# KiCad board USB Keypad.kicad_pcb (continued)
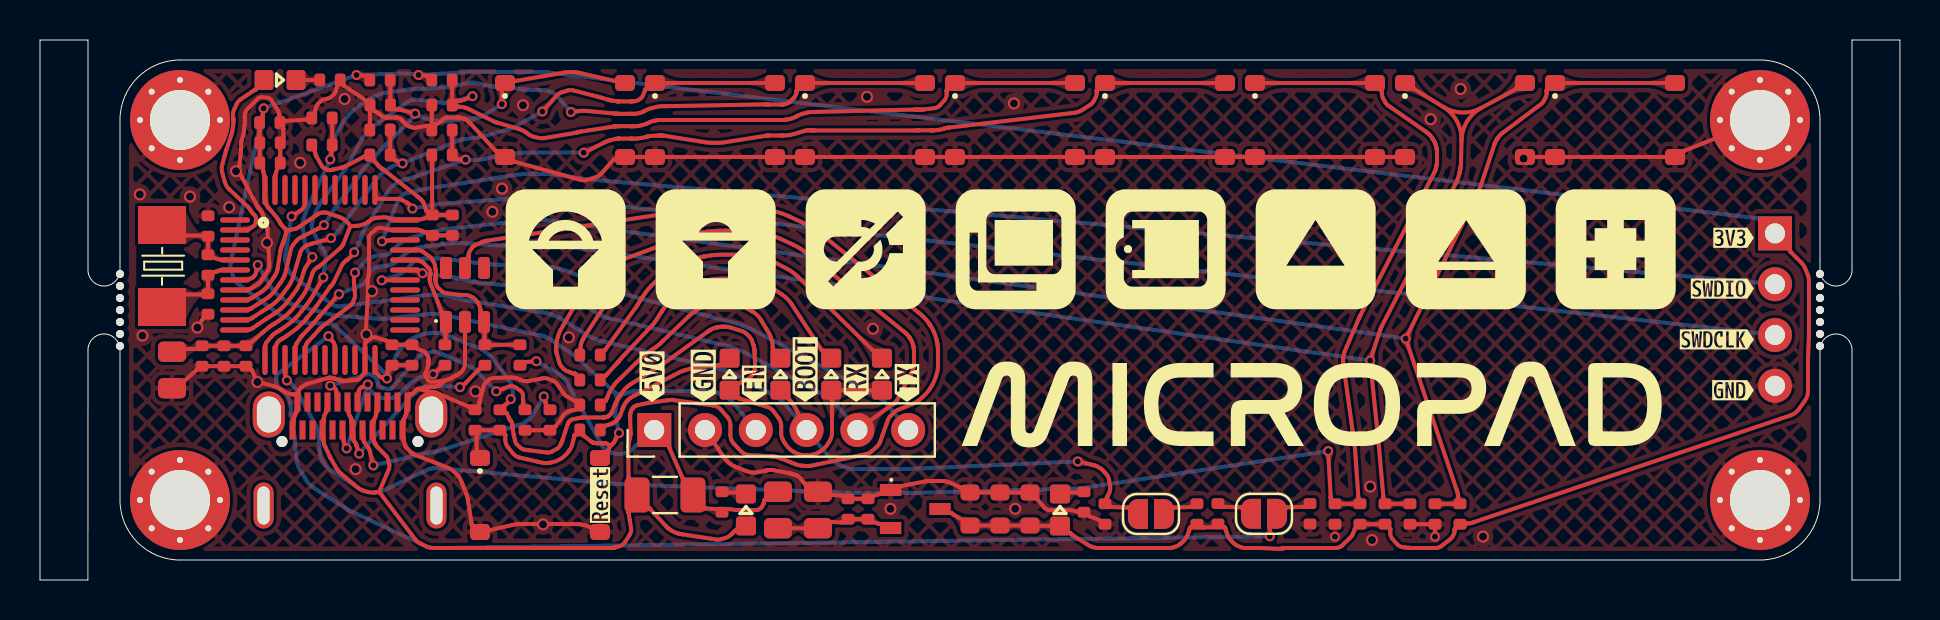
[diagram p0: board, top side]
## Routing (per net, layer and track width the routed paths; a pad name or vN(x,y) marks a point on that pad's centre or on a via; arc(x,y) is an arc through that point)
+3.3V: length 241.9
  Top w0.2: LED4.2 39.75,9.49 arc(39.62,9.43) 39.58,9.3 39.59,9.16 arc(39.6,9.11) 39.6,9.06 39.6,7.33 arc(39.58,7.17) 39.51,7.01 39.43,6.86 arc(39.23,6.6) 38.97,6.4 arc(38.66,6.27) 38.33,6.23 arc(38,6.27) 37.7,6.4 arc(37.43,6.6) 37.23,6.86 37.15,7.01 arc(37.08,7.17) 37.06,7.33 37.06,7.71 arc(37.03,7.91) 36.94,8.09 36.69,8.42 arc(36.54,8.57) 36.36,8.65 35.96,8.78 34.96,9.08 arc(34.96,9.08) 34.96,9.08 34.95,9.08 arc(34.95,9.08) 34.95,9.08 34.71,9.29 arc(34.63,9.48) 34.73,9.67 34.97,9.84 arc(34.97,9.84) 34.98,9.84 arc(34.98,9.84) 34.98,9.84 34.98,9.85 arc(34.98,9.85) 34.98,9.85 35.22,9.96 35.4,10.05 arc(35.49,10.11) 35.55,10.18 35.67,10.35 arc(35.71,10.44) 35.73,10.53 35.75,10.67 arc(35.75,10.68) 35.75,10.69 35.75,10.71 arc(35.75,10.72) 35.75,10.73 35.75,10.85 arc(35.75,10.87) 35.75,10.88 arc(35.75,10.89) 35.75,10.91 35.73,11.33 arc(35.73,11.34) 35.73,11.35 arc(35.73,11.36) 35.73,11.37 35.73,11.45 arc(35.73,11.46) 35.73,11.47 arc(35.73,11.47) 35.73,11.48 35.72,11.49 arc(35.72,11.5) 35.72,11.51 arc(35.72,11.51) 35.72,11.52 35.71,11.59 arc(35.71,11.61) 35.71,11.63 35.7,11.66 arc(35.69,11.68) 35.69,11.7 arc(35.68,11.71) 35.68,11.73 35.59,11.98 arc(35.55,12.08) 35.48,12.16 35.31,12.32 arc(35.23,12.39) 35.13,12.44 34.52,12.63 arc(34.48,12.64) 34.44,12.65 34.36,12.66 arc(34.31,12.66) 34.27,12.67 34.1,12.67 arc(34.08,12.66) 34.05,12.66 34,12.66 arc(33.97,12.65) 33.94,12.65 33.89,12.64 arc(33.89,12.64) 33.89,12.64 arc(33.88,12.64) 33.88,12.64 33.8,12.62 arc(33.75,12.61) 33.7,12.59 33.6,12.55 arc(33.55,12.53) 33.51,12.5 33.44,12.45 arc(33.44,12.45) 33.44,12.45 arc(33.44,12.45) 33.44,12.45 33.42,12.44 arc(33.41,12.44) 33.4,12.43 33.4,12.42 arc(33.38,12.41) 33.36,12.4 31.38,10.97 arc(31.26,10.88) 31.14,10.8 arc(31.01,10.72) 30.89,10.64 29.67,9.87 29.51,9.78 arc(29.44,9.73) 29.37,9.67 29.24,9.54 arc(29.18,9.48) 29.13,9.41 28.91,9.09 arc(28.89,9.05) 28.87,9.02 28.83,8.94 arc(28.81,8.91) 28.79,8.87 28.77,8.81 arc(28.77,8.8) 28.77,8.79 28.76,8.78 arc(28.76,8.77) 28.75,8.76 28.75,8.75 arc(28.74,8.75) 28.74,8.74 28.74,8.74 arc(28.73,8.72) 28.73,8.71 28.72,8.69 arc(28.71,8.68) 28.71,8.67 28.59,8.39 arc(28.58,8.38) 28.58,8.36 28.56,8.33 arc(28.55,8.32) 28.54,8.31 28.48,8.25 arc(28.48,8.24) 28.47,8.24 arc(28.46,8.23) 28.46,8.22 28.44,8.21 arc(28.43,8.21) 28.43,8.2 28.38,8.17 arc(28.36,8.16) 28.34,8.15 28.31,8.14 arc(28.29,8.13) 28.27,8.13 28.2,8.13 arc(28.2,8.13) 28.19,8.13 arc(28.19,8.13) 28.19,8.13 28.18,8.13 arc(28.18,8.13) 28.17,8.12 27.12,8.12 arc(27.11,8.12) 27.1,8.12 27.09,8.12 arc(27.08,8.12) 27.08,8.12 26.98,8.1 arc(26.97,8.1) 26.97,8.1 arc(26.97,8.1) 26.97,8.1 26.63,8.04 arc(26.61,8.03) 26.58,8.02 26.53,7.99 arc(26.51,7.97) 26.49,7.95 26.48,7.94 arc(26.47,7.93) 26.46,7.92 arc(26.46,7.91) 26.45,7.91 26.44,7.9 arc(26.43,7.89) 26.43,7.87 26.41,7.84 arc(26.4,7.83) 26.39,7.81 26.25,7.39 arc(26.25,7.38) 26.25,7.38 arc(26.25,7.38) 26.25,7.37 26.13,7 arc(26.12,6.99) 26.12,6.98 arc(26.12,6.97) 26.11,6.96 26.11,6.94 arc(26.1,6.93) 26.1,6.93 arc(26.09,6.92) 26.09,6.91 26.02,6.75 arc(25.95,6.64) 25.84,6.56 25.6,6.42 arc(25.48,6.38) 25.35,6.37 24.46,6.49 24.23,6.52 arc(24.12,6.55) 24.03,6.61 23.86,6.77 arc(23.79,6.86) 23.75,6.96 23.69,7.25 arc(23.69,7.25) 23.69,7.26 23.63,7.57 arc(23.63,7.58) 23.63,7.59 23.63,7.6 arc(23.63,7.61) 23.62,7.62 23.62,7.75 arc(23.62,7.78) 23.61,7.81 23.59,7.87 arc(23.58,7.9) 23.56,7.92 23.53,7.96 arc(23.51,7.98) 23.5,7.99 23.48,8.03 arc(23.47,8.04) 23.46,8.06 23.35,8.31 arc(23.35,8.31) 23.35,8.32 arc(23.35,8.32) 23.35,8.32 23.34,8.33 arc(23.34,8.34) 23.33,8.34 23.33,8.34 arc(23.33,8.34) 23.33,8.34 23.33,8.34 arc(23.33,8.34) 23.33,8.34 arc(23.32,8.35) 23.32,8.35 23.32,8.35 arc(23.32,8.35) 23.32,8.35 arc(23.32,8.35) 23.32,8.35 arc(23.32,8.35) 23.31,8.35 23.16,8.43 arc(23.09,8.52) 23.13,8.63 23.26,8.75 arc(23.26,8.76) 23.26,8.76 arc(23.26,8.76) 23.26,8.76 23.26,8.76 arc(23.27,8.76) 23.27,8.76 23.27,8.77 arc(23.27,8.77) 23.28,8.77 23.3,8.79 arc(23.32,8.8) 23.35,8.83 23.39,8.87 arc(23.42,8.89) 23.44,8.92 v2(23.54,9.05) ; C4.1 17.71,10.74 arc(17.61,10.72) 17.53,10.65 17.39,10.48 arc(17.39,10.47) 17.39,10.47 arc(17.39,10.47) 17.39,10.47 v2(17.35,10.08) 17.34,10.07 arc(17.33,10.07) 17.31,10.07 17.3,10.07 arc(17.28,10.07) 17.26,10.07 17.22,10.08 arc(17.2,10.08) 17.18,10.09 17.16,10.09 arc(17.16,10.09) 17.16,10.1 17.13,10.11 arc(17.1,10.12) 17.08,10.13 17.03,10.16 arc(17.01,10.17) 16.99,10.19 16.89,10.29 arc(16.87,10.31) 16.85,10.33 16.82,10.36 arc(16.8,10.37) 16.78,10.38 arc(16.76,10.4) 16.75,10.42 16.75,10.44 arc(16.75,10.49) 16.75,10.54 U1.24 ; v2(18.92,25.25) 19.32,25.21 arc(19.32,25.21) 19.33,25.21 R20.1 ; 12.22,17.6 12.09,17.74 arc(12.07,17.76) 12.06,17.78 12.03,17.81 arc(12.02,17.83) 12.01,17.85 11.97,17.92 arc(11.95,17.96) 11.92,18 11.87,18.08 arc(11.84,18.12) 11.81,18.15 11.75,18.23 11.53,18.49 arc(11.52,18.51) 11.51,18.52 11.49,18.54 arc(11.48,18.55) 11.47,18.56 11.46,18.57 arc(11.46,18.57) 11.45,18.58 arc(11.44,18.58) 11.44,18.59 11.44,18.59 arc(11.43,18.6) 11.42,18.61 11.4,18.63 arc(11.4,18.64) 11.39,18.65 arc(11.38,18.66) 11.38,18.67 11.32,18.77 arc(11.27,18.89) 11.25,19.01 11.25,19.96 arc(11.24,20.11) 11.21,20.26 11.17,20.42 arc(11.16,20.44) 11.16,20.45 11.16,20.48 arc(11.15,20.5) 11.15,20.51 11.15,20.52 arc(11.15,20.53) 11.15,20.53 arc(11.15,20.53) 11.15,20.54 11.04,20.75 arc(11,20.85) 10.99,20.96 10.99,21.75 arc(10.99,21.86) 10.99,21.97 10.99,22.03 arc(10.99,22.08) 10.98,22.13 10.98,22.6 arc(10.98,22.65) 10.98,22.7 10.98,22.76 arc(10.99,22.87) 11.03,22.97 11.14,23.18 arc(11.14,23.19) 11.14,23.19 arc(11.14,23.19) 11.14,23.19 11.14,23.19 arc(11.14,23.19) 11.14,23.19 11.14,23.21 arc(11.14,23.22) 11.14,23.24 11.14,23.27 arc(11.15,23.28) 11.15,23.3 v2(11.18,23.59) ; 12.22,17.6 arc(12.3,17.46) 12.29,17.3 ; 12.22,17.6 arc(12.36,17.51) 12.52,17.51 ; 19.61,18.34 19.61,18.37 arc(19.61,18.42) 19.6,18.47 19.6,20.98 arc(19.6,21.03) 19.6,21.08 R21.1 ; 19.61,18.34 arc(19.64,18.27) 19.71,18.25 ; 19.61,18.34 arc(19.59,18.3) 19.55,18.3 ; 15.51,17.68 15.2,16.88 15.17,16.81 arc(15.15,16.77) 15.13,16.74 15.08,16.67 arc(15.06,16.64) 15.03,16.61 14.97,16.56 14.01,15.72 13.99,15.7 arc(13.97,15.69) 13.96,15.68 13.93,15.66 arc(13.92,15.66) 13.91,15.65 13.84,15.61 arc(13.8,15.58) 13.76,15.55 13.69,15.46 arc(13.66,15.42) 13.63,15.37 13.43,14.77 arc(13.39,14.66) 13.34,14.56 13.23,14.36 arc(13.17,14.26) 13.11,14.16 12.65,13.58 arc(12.57,13.49) 12.49,13.41 12.33,13.26 arc(12.25,13.18) 12.16,13.12 11.9,12.94 arc(11.83,12.89) 11.76,12.84 11.74,12.83 arc(11.69,12.8) 11.63,12.76 11.56,12.72 arc(11.54,12.7) 11.51,12.69 11.47,12.66 arc(11.45,12.64) 11.43,12.63 11.12,12.37 arc(11.12,12.36) 11.12,12.36 arc(11.12,12.36) 11.11,12.36 10.6,11.92 arc(10.6,11.92) 10.6,11.92 arc(10.6,11.92) 10.6,11.92 arc(10.6,11.92) 10.59,11.92 10.39,11.77 arc(10.29,11.73) 10.19,11.71 8.21,11.71 arc(8.1,11.7) 8,11.66 7.79,11.55 arc(7.78,11.55) 7.78,11.55 arc(7.78,11.55) 7.78,11.55 7.78,11.55 arc(7.78,11.55) 7.78,11.55 7.25,11.55 arc(7.2,11.55) 7.15,11.54 C33.1 ; 15.51,17.68 arc(15.52,17.69) 15.51,17.69 ; 15.51,17.68 arc(15.52,17.69) 15.52,17.69 ; R19.1 13.75,21.44 arc(13.75,21.43) 13.75,21.43 13.75,21.43 arc(13.75,21.43) 13.75,21.43 arc(13.75,21.43) 13.75,21.43 13.75,21.39 arc(13.76,21.36) 13.77,21.32 13.79,21.26 arc(13.8,21.22) 13.81,21.19 13.85,21.13 14.1,20.69 arc(14.15,20.63) 14.22,20.58 14.39,20.51 arc(14.47,20.49) 14.55,20.49 14.63,20.51 arc(14.64,20.52) 14.65,20.52 14.65,20.52 arc(14.65,20.52) 14.65,20.52 arc(14.66,20.52) 14.66,20.52 15.04,20.61 arc(15.06,20.61) 15.08,20.62 15.08,20.62 arc(15.09,20.62) 15.11,20.63 15.15,20.64 arc(15.17,20.64) 15.2,20.65 15.24,20.67 arc(15.27,20.68) 15.29,20.69 15.33,20.72 16.18,21.16 arc(16.18,21.16) 16.19,21.16 16.2,21.16 arc(16.21,21.16) 16.21,21.16 16.27,21.16 arc(16.32,21.17) 16.36,21.19 16.4,21.21 arc(16.48,21.22) 16.54,21.17 16.7,20.96 arc(16.7,20.95) 16.7,20.95 arc(16.7,20.95) 16.7,20.95 arc(16.7,20.95) 16.7,20.95 16.89,20.75 arc(16.91,20.74) 16.92,20.72 16.94,20.7 arc(16.94,20.7) 16.94,20.69 arc(16.95,20.69) 16.95,20.68 16.96,20.68 arc(16.97,20.66) 16.98,20.65 17,20.63 arc(17.01,20.62) 17.03,20.61 17.06,20.59 arc(17.06,20.59) 17.07,20.59 arc(17.07,20.59) 17.07,20.58 arc(17.08,20.58) 17.08,20.58 17.09,20.57 arc(17.1,20.57) 17.1,20.57 arc(17.11,20.56) 17.11,20.56 17.12,20.56 arc(17.12,20.55) 17.13,20.55 17.15,20.53 arc(17.16,20.53) 17.16,20.52 17.18,20.51 18.89,19.16 arc(18.91,19.15) 18.93,19.13 18.97,19.1 arc(18.99,19.08) 19.01,19.06 19.07,19.01 arc(19.1,18.98) 19.12,18.95 19.16,18.88 arc(19.18,18.85) 19.2,18.81 19.31,18.49 arc(19.31,18.49) 19.31,18.48 arc(19.31,18.48) 19.31,18.48 19.31,18.48 arc(19.31,18.47) 19.31,18.47 arc(19.31,18.47) 19.32,18.47 19.32,18.47 arc(19.32,18.47) 19.32,18.47 arc(19.32,18.47) 19.32,18.46 19.32,18.46 arc(19.32,18.46) 19.32,18.46 19.32,18.46 arc(19.32,18.46) 19.32,18.46 arc(19.32,18.46) 19.33,18.46 19.55,18.3 ; 12.52,17.51 12.75,17.55 arc(12.78,17.56) 12.81,17.57 12.87,17.6 arc(12.89,17.61) 12.92,17.63 13.75,18.2 arc(13.78,18.22) 13.81,18.24 13.84,18.26 arc(13.85,18.27) 13.85,18.27 arc(13.85,18.27) 13.86,18.27 13.91,18.31 arc(13.98,18.34) 14.04,18.36 14.19,18.38 arc(14.26,18.38) 14.33,18.36 14.82,18.2 15.01,18.14 arc(15.09,18.1) 15.18,18.04 15.33,17.92 arc(15.4,17.86) 15.46,17.78 15.51,17.7 arc(15.51,17.7) 15.51,17.69 ; 12.52,17.51 arc(12.38,17.43) 12.29,17.3 ; 19.71,18.25 C11.1 ; 19.71,18.25 arc(19.62,18.24) 19.54,18.21 ; J3.1 87.46,16.62 arc(87.49,16.58) 87.5,16.53 87.5,16.47 arc(87.5,16.46) 87.5,16.45 87.51,16.43 arc(87.52,16.42) 87.52,16.42 arc(87.53,16.41) 87.54,16.4 87.83,16.11 88.07,15.87 arc(88.17,15.74) 88.25,15.59 88.38,15.28 arc(88.43,15.12) 88.45,14.96 88.45,12.28 arc(88.45,12.25) 88.44,12.22 arc(88.44,12.18) 88.44,12.15 88.4,11.06 arc(88.4,11.05) 88.4,11.04 arc(88.4,11.03) 88.4,11.01 88.4,9.98 88.4,9.44 arc(88.36,9.19) 88.24,8.96 87.94,8.53 arc(87.76,8.35) 87.53,8.23 87.03,8.06 71.69,2.89 71.61,2.87 arc(71.57,2.85) 71.53,2.85 71.44,2.83 arc(71.4,2.83) 71.36,2.82 71.27,2.82 arc(71.22,2.82) 71.17,2.82 71.11,2.81 arc(71.01,2.77) 70.92,2.71 70.74,2.55 arc(70.74,2.54) 70.74,2.54 arc(70.74,2.54) 70.74,2.54 arc(70.74,2.54) 70.74,2.54 70.74,2.54 arc(70.74,2.53) 70.74,2.53 arc(70.74,2.53) 70.74,2.53 70.74,2.53 arc(70.74,2.52) 70.74,2.51 70.73,2.44 arc(70.72,2.37) 70.69,2.3 70.62,2.16 arc(70.58,2.1) 70.52,2.05 70.06,1.69 arc(70.02,1.66) 69.98,1.64 69.89,1.62 arc(69.84,1.6) 69.8,1.6 69.7,1.6 68.88,1.6 68.57,1.6 arc(68.56,1.6) 68.55,1.6 68.53,1.6 arc(68.51,1.6) 68.5,1.6 68.15,1.64 arc(67.99,1.69) 67.86,1.79 67.63,2.04 arc(67.54,2.18) 67.51,2.35 67.51,2.53 arc(67.51,2.53) 67.51,2.53 67.51,2.54 arc(67.51,2.54) 67.51,2.54 arc(67.51,2.54) 67.51,2.54 arc(67.51,2.54) 67.51,2.55 67.33,2.71 arc(67.24,2.77) 67.14,2.79 66.11,2.79 arc(66.01,2.77) 65.92,2.71 65.74,2.55 arc(65.74,2.54) 65.74,2.54 arc(65.74,2.54) 65.74,2.54 arc(65.74,2.54) 65.74,2.54 65.64,2.3 arc(65.63,2.27) 65.61,2.24 65.57,2.18 arc(65.55,2.16) 65.53,2.13 65.1,1.72 arc(65.06,1.69) 65.01,1.66 64.91,1.62 arc(64.86,1.61) 64.8,1.6 64.69,1.6 63.87,1.6 63.22,1.6 62.75,1.6 62.56,1.6 62.27,1.6 arc(62.25,1.6) 62.23,1.6 62.2,1.59 arc(62.18,1.59) 62.17,1.59 62.15,1.58 arc(62.14,1.58) 62.14,1.58 62.11,1.58 arc(62.08,1.57) 62.04,1.57 61.98,1.56 arc(61.94,1.56) 61.91,1.56 61.84,1.56 61.03,1.6 arc(61.02,1.6) 61,1.6 arc(60.99,1.6) 60.98,1.6 60.6,1.6 60.24,1.6 arc(60.14,1.61) 60.04,1.64 59.85,1.72 arc(59.76,1.77) 59.68,1.84 59.53,2 arc(59.49,2.04) 59.46,2.09 59.41,2.18 arc(59.38,2.23) 59.36,2.27 59.27,2.56 arc(59.26,2.57) 59.26,2.58 59.26,2.58 arc(59.26,2.59) 59.26,2.59 arc(59.26,2.59) 59.25,2.6 59.25,2.6 arc(59.25,2.6) 59.25,2.61 59.24,2.62 arc(59.24,2.62) 59.23,2.63 59.23,2.63 arc(59.23,2.63) 59.23,2.63 59.23,2.63 arc(59.23,2.63) 59.23,2.63 arc(59.22,2.64) 59.22,2.64 59.22,2.64 arc(59.22,2.64) 59.22,2.64 arc(59.22,2.64) 59.22,2.64 arc(59.22,2.64) 59.21,2.64 59.06,2.72 arc(58.9,2.76) 58.74,2.72 58.59,2.64 arc(58.58,2.64) 58.58,2.64 58.58,2.64 arc(58.58,2.64) 58.58,2.64 arc(58.58,2.64) 58.58,2.64 58.17,2.63 arc(58.17,2.63) 58.17,2.63 58.17,2.63 arc(58.17,2.63) 58.16,2.63 58.01,2.71 arc(57.85,2.75) 57.69,2.71 57.54,2.63 arc(57.53,2.63) 57.53,2.63 57.53,2.63 arc(57.53,2.63) 57.53,2.63 57.53,2.63 arc(57.53,2.63) 57.52,2.62 arc(57.52,2.62) 57.52,2.62 57.52,2.62 arc(57.52,2.62) 57.52,2.62 57.52,2.62 arc(57.51,2.61) 57.51,2.61 57.5,2.6 arc(57.5,2.59) 57.5,2.59 57.49,2.59 arc(57.49,2.58) 57.49,2.58 arc(57.49,2.58) 57.49,2.57 57.49,2.57 arc(57.49,2.56) 57.48,2.55 57.38,2.25 arc(57.35,2.18) 57.32,2.12 57.23,2.01 arc(57.19,1.95) 57.14,1.9 56.96,1.76 arc(56.89,1.72) 56.81,1.68 56.66,1.63 arc(56.57,1.61) 56.49,1.6 54.79,1.6 arc(54.79,1.6) 54.79,1.6 54.66,1.6 arc(54.64,1.6) 54.62,1.6 54.6,1.6 arc(54.6,1.6) 54.59,1.6 arc(54.59,1.6) 54.59,1.6 54.58,1.6 arc(54.57,1.6) 54.56,1.6 54.41,1.6 53.99,1.6 53.53,1.6 53.07,1.6 arc(53.07,1.6) 53.07,1.6 52.98,1.6 arc(52.96,1.6) 52.94,1.6 52.94,1.6 arc(52.93,1.6) 52.92,1.6 arc(52.91,1.6) 52.91,1.6 52.85,1.6 arc(52.78,1.61) 52.71,1.62 52.59,1.66 arc(52.52,1.69) 52.46,1.72 51.69,2.2 51.65,2.23 arc(51.63,2.24) 51.61,2.25 51.57,2.28 arc(51.55,2.3) 51.54,2.31 51.51,2.34 arc(51.51,2.34) 51.51,2.34 arc(51.51,2.34) 51.5,2.34 51.5,2.34 arc(51.5,2.34) 51.5,2.35 arc(51.5,2.35) 51.5,2.35 arc(51.49,2.35) 51.49,2.35 51.16,2.58 arc(50.99,2.67) 50.8,2.71 50.65,2.71 arc(50.6,2.71) 50.55,2.71 49.93,2.71 arc(49.88,2.71) 49.83,2.71 49.69,2.72 arc(49.5,2.72) 49.31,2.73 46.69,2.73 arc(46.51,2.75) 46.35,2.83 46.23,2.91 arc(46.06,3.03) 45.88,3.14 45.69,3.26 arc(45.68,3.27) 45.66,3.28 45.64,3.29 arc(45.63,3.3) 45.62,3.31 45.61,3.32 arc(45.61,3.32) 45.6,3.32 arc(45.6,3.33) 45.59,3.33 45.59,3.33 arc(45.58,3.34) 45.58,3.34 45.56,3.35 arc(45.55,3.35) 45.54,3.35 45.48,3.35 arc(45.44,3.36) 45.39,3.37 LDO1.3 ; 19.54,18.21 19.46,18.17 arc(19.3,18.1) 19.13,18.05 19.08,18.04 arc(18.86,18.01) 18.64,18 17.64,18 arc(17.63,18) 17.63,18 arc(17.63,18) 17.63,18 17.48,18.07 arc(17.34,18.13) 17.18,18.14 16.86,18.11 arc(16.7,18.08) 16.56,18.01 16.35,17.87 arc(16.28,17.83) 16.21,17.8 16.06,17.75 arc(15.99,17.73) 15.91,17.72 15.52,17.69 ; 19.54,18.21 arc(19.57,18.25) 19.55,18.3 ; R26.1 16.23,25.21 arc(16.22,25.21) 16.22,25.21 16.22,25.21 v2(15.82,25.25) ; 15.52,17.69 arc(15.52,17.69) 15.51,17.69 ; 12.29,17.3 12.17,16.92 arc(12.16,16.9) 12.16,16.88 12.14,16.84 arc(12.14,16.82) 12.13,16.8 12.12,16.79 arc(12.12,16.78) 12.12,16.77 arc(12.12,16.77) 12.11,16.76 12.1,16.72 arc(12.08,16.68) 12.07,16.63 12.04,16.54 arc(12.03,16.5) 12.02,16.45 12.01,16.36 11.88,15.54 arc(11.86,15.48) 11.85,15.43 11.8,15.32 arc(11.78,15.27) 11.75,15.23 11.4,14.71 arc(11.36,14.66) 11.32,14.62 11.23,14.53 arc(11.18,14.49) 11.13,14.45 10.86,14.27 arc(10.85,14.26) 10.84,14.26 arc(10.83,14.25) 10.82,14.25 10.68,14.16 arc(10.66,14.15) 10.65,14.14 10.64,14.13 arc(10.63,14.13) 10.62,14.12 arc(10.61,14.12) 10.61,14.11 arc(10.6,14.11) 10.59,14.1 10.57,14.09 arc(10.57,14.09) 10.56,14.09 arc(10.55,14.08) 10.54,14.08 10.46,14.04 arc(10.36,14.01) 10.26,14 U1.9
  Bottom w0.2: J3.1 86.04,18.04 arc(86,18.07) 85.95,18.08 85.9,18.08 arc(85.9,18.08) 85.9,18.08 85.89,18.08 arc(85.89,18.08) 85.89,18.08 arc(85.89,18.08) 85.89,18.08 25.38,25.38 25.32,25.39 arc(25.29,25.39) 25.26,25.39 25.2,25.4 arc(25.18,25.4) 25.15,25.4 24.11,25.4 23.09,25.4 22.59,25.4 21.66,25.4 arc(21.63,25.4) 21.59,25.4 arc(21.56,25.4) 21.52,25.4 v2(18.92,25.25) 18.79,25.27 arc(18.68,25.29) 18.56,25.3 18.32,25.32 arc(18.2,25.33) 18.08,25.33 v2(15.82,25.25) v2(11.18,23.59) 9.61,16.23 9.53,15.84 arc(9.52,15.65) 9.56,15.46 9.7,15.09 arc(9.79,14.92) 9.93,14.78 11.46,13.65 11.85,13.36 arc(12.06,13.23) 12.28,13.13 12.73,12.97 arc(12.96,12.9) 13.2,12.87 13.69,12.85 14.4,12.81 14.51,12.8 arc(14.56,12.8) 14.62,12.78 14.72,12.73 arc(14.77,12.71) 14.81,12.67 14.89,12.6 17.04,10.54 17.13,10.46 arc(17.17,10.41) 17.21,10.36 17.27,10.26 arc(17.3,10.2) 17.33,10.14 17.34,10.09 arc(17.35,10.08) 17.35,10.08 v2(17.35,10.08) 17.66,10.86 17.81,11.24 arc(17.91,11.42) 18.03,11.58 18.18,11.73 arc(18.48,11.99) 18.84,12.18 arc(19.22,12.3) 19.62,12.35 19.83,12.35 arc(20.03,12.33) 20.22,12.28 21.94,11.6 arc(22.07,11.53) 22.2,11.45 22.44,11.26 arc(22.56,11.16) 22.65,11.04 23.41,10.01 23.54,9.83 arc(23.6,9.73) 23.62,9.62 23.64,9.38 arc(23.63,9.27) 23.6,9.16 v2(23.54,9.05)
+5V: length 18.4
  Top w0.2: v2(24.82,10.94) 24.41,10.91 arc(24.4,10.9) 24.39,10.9 arc(24.38,10.9) 24.37,10.9 24.35,10.9 arc(24.34,10.9) 24.33,10.9 24.32,10.9 arc(24.32,10.9) 24.32,10.9 24.32,10.9 arc(24.32,10.9) 24.31,10.9 R4.1 ; J1.1 31.42,6.79 arc(31.45,6.75) 31.46,6.7 31.46,6.64 arc(31.46,6.64) 31.46,6.63 31.46,6.62 arc(31.46,6.62) 31.47,6.61 arc(31.47,6.61) 31.47,6.61 32.13,5.09 arc(32.13,5.09) 32.14,5.08 32.14,5.08 arc(32.14,5.08) 32.14,5.08 arc(32.14,5.08) 32.14,5.08 32.41,4.64 arc(32.67,4.26) 32.96,3.91 33.27,3.58 arc(33.27,3.58) 33.27,3.58 arc(33.27,3.58) 33.27,3.58 33.27,3.58 arc(33.27,3.58) 33.28,3.58 33.78,3.55 arc(33.78,3.55) 33.78,3.55 arc(33.78,3.55) 33.78,3.55 arc(33.78,3.55) 33.79,3.55 33.94,3.47 arc(34.1,3.43) 34.26,3.47 34.41,3.55 arc(34.42,3.55) 34.42,3.55 34.42,3.55 arc(34.42,3.55) 34.43,3.55 34.79,3.5 arc(34.79,3.5) 34.8,3.5 arc(34.81,3.5) 34.81,3.5 34.83,3.5 arc(34.83,3.5) 34.84,3.5 35.71,3.5 arc(35.71,3.5) 35.72,3.5 35.72,3.5 arc(35.73,3.5) 35.73,3.5 35.73,3.5 arc(35.74,3.5) 35.74,3.5 arc(35.74,3.5) 35.74,3.5 35.8,3.49 arc(35.86,3.5) 35.91,3.52 36.02,3.58 arc(36.07,3.61) 36.1,3.66 36.16,3.78 arc(36.17,3.79) 36.17,3.8 arc(36.18,3.81) 36.18,3.82 36.19,3.85 arc(36.19,3.86) 36.19,3.87 36.22,3.96 arc(36.22,3.97) 36.22,3.97 arc(36.22,3.98) 36.22,3.98 36.22,3.99 arc(36.23,3.99) 36.23,3.99 36.23,3.99 arc(36.23,4) 36.23,4 arc(36.23,4) 36.23,4 36.23,4 arc(36.23,4) 36.23,4 36.24,4.01 arc(36.24,4.01) 36.24,4.01 36.24,4.01 arc(36.24,4.01) 36.24,4.01 arc(36.25,4.01) 36.25,4.01 FB1.1
  Bottom w0.2: v2(24.82,10.94) 25.78,10.4 25.94,10.3 arc(26.02,10.25) 26.08,10.19 26.22,10.06 arc(26.28,9.99) 26.33,9.91 27.97,6.95 28.1,6.72 arc(28.17,6.62) 28.27,6.54 28.38,6.47 arc(28.61,6.36) 28.86,6.3 arc(29.11,6.31) 29.36,6.38 29.48,6.44 arc(29.59,6.5) 29.68,6.59 29.79,6.72 arc(29.8,6.73) 29.81,6.74 29.83,6.75 arc(29.84,6.75) 29.85,6.75 29.91,6.75 arc(29.96,6.76) 30,6.79 J1.1
GND: length 200.2
  Top w0.2: 12.9,9.09 12.85,8.71 ; 12.9,9.09 12.92,9.23 arc(12.92,9.28) 12.93,9.33 12.93,9.41 arc(12.93,9.45) 12.94,9.48 12.98,9.55 arc(13,9.58) 13.03,9.6 13.23,9.74 arc(13.25,9.75) 13.26,9.76 arc(13.28,9.77) 13.29,9.78 13.33,9.79 arc(13.34,9.8) 13.36,9.81 13.39,9.82 14.37,10.09 14.43,10.11 arc(14.46,10.12) 14.49,10.12 14.55,10.12 arc(14.58,10.11) 14.61,10.11 14.64,10.1 arc(14.64,10.1) 14.65,10.1 arc(14.65,10.09) 14.65,10.09 14.65,10.09 arc(14.66,10.09) 14.66,10.09 14.67,10.09 arc(14.67,10.09) 14.68,10.09 arc(14.68,10.09) 14.68,10.08 14.69,10.08 arc(14.69,10.08) 14.7,10.08 14.71,10.08 arc(14.72,10.08) 14.73,10.07 15.15,9.96 arc(15.17,9.95) 15.19,9.95 15.24,9.94 arc(15.26,9.94) 15.28,9.95 15.32,9.95 15.76,10 15.83,10.01 arc(15.87,10.01) 15.9,10.03 15.97,10.06 arc(16,10.08) 16.02,10.11 16.15,10.26 arc(16.22,10.39) 16.25,10.54 16.25,10.69 ; 12.9,9.09 arc(12.88,9.07) 12.85,9.09 ; 12.85,8.71 12.83,8.58 arc(12.83,8.53) 12.83,8.48 12.83,8.42 arc(12.82,8.41) 12.82,8.41 12.82,8.39 arc(12.82,8.39) 12.81,8.38 12.8,8.35 arc(12.79,8.33) 12.78,8.31 12.76,8.28 arc(12.75,8.26) 12.75,8.24 12.69,8.06 arc(12.68,8.05) 12.68,8.04 12.68,8.01 arc(12.68,8) 12.68,7.99 12.68,7.93 arc(12.67,7.88) 12.67,7.83 J2.B12 ; 12.85,8.71 arc(12.86,8.9) 12.85,9.09 ; v1(7.87,12.62) 8.14,13.04 8.14,13.04 arc(8.14,13.04) 8.14,13.05 C6.1 ; 19.65,22.59 19.8,22.79 arc(19.8,22.8) 19.8,22.8 arc(19.8,22.8) 19.8,22.8 19.8,22.8 arc(19.8,22.8) 19.8,22.8 19.81,22.8 arc(19.81,22.8) 19.81,22.81 arc(19.81,22.81) 19.81,22.81 19.88,22.83 arc(19.92,22.85) 19.96,22.87 20.03,22.92 arc(20.06,22.94) 20.09,22.97 20.12,23 arc(20.12,23) 20.12,23.01 arc(20.12,23.01) 20.12,23.01 20.14,23.03 arc(20.17,23.06) 20.2,23.08 20.27,23.11 arc(20.3,23.12) 20.34,23.12 20.86,23.12 arc(20.86,23.13) 20.86,23.13 20.87,23.13 arc(20.87,23.13) 20.88,23.13 arc(20.88,23.13) 20.88,23.13 20.89,23.13 arc(20.9,23.13) 20.92,23.12 20.94,23.12 arc(20.95,23.12) 20.96,23.12 21.01,23.11 arc(21.04,23.11) 21.06,23.1 21.11,23.09 arc(21.13,23.09) 21.15,23.08 21.17,23.07 arc(21.17,23.07) 21.18,23.07 arc(21.18,23.07) 21.19,23.06 21.23,23.05 arc(21.27,23.03) 21.31,23 21.4,22.95 arc(21.43,22.92) 21.47,22.88 21.54,22.81 22.78,21.47 arc(22.78,21.47) 22.78,21.46 22.78,21.46 arc(22.79,21.46) 22.79,21.46 23.02,21.3 ; 19.65,22.59 arc(19.61,22.58) 19.59,22.61 ; 19.65,22.59 arc(19.58,22.55) 19.5,22.57 ; 12.09,22.91 12.13,22.93 arc(12.17,22.95) 12.22,22.96 12.27,22.96 arc(12.27,22.96) 12.27,22.96 arc(12.28,22.96) 12.28,22.96 13.31,23.01 arc(13.31,23.01) 13.32,23.01 arc(13.32,23.01) 13.32,23.02 13.37,23.02 arc(13.42,23.02) 13.46,23.04 13.5,23.06 arc(13.58,23.11) 13.63,23.18 13.75,23.41 arc(13.75,23.42) 13.75,23.42 arc(13.75,23.42) 13.75,23.42 13.82,23.67 arc(13.85,23.75) 13.91,23.82 14.04,23.95 arc(14.12,24) 14.2,24.03 14.29,24.05 arc(14.29,24.05) 14.3,24.05 arc(14.31,24.05) 14.31,24.05 14.4,24.07 arc(14.48,24.1) 14.56,24.15 14.69,24.28 arc(14.75,24.35) 14.78,24.43 14.83,24.6 arc(14.85,24.68) 14.89,24.76 14.93,24.84 arc(15.02,24.9) 15.11,24.86 15.22,24.71 arc(15.22,24.7) 15.22,24.7 arc(15.22,24.7) 15.22,24.7 15.22,24.7 arc(15.23,24.7) 15.23,24.69 16.11,24.11 arc(16.25,24) 16.38,23.88 16.42,23.83 ; 12.09,22.91 arc(12.04,22.86) 12.04,22.79 ; 12.09,22.91 arc(12.02,22.91) 11.99,22.96 ; 16.42,23.83 arc(16.5,23.75) 16.56,23.66 ; 16.42,23.83 arc(16.48,23.74) 16.5,23.64 ; 19.5,22.57 19.33,22.71 arc(19.32,22.71) 19.32,22.71 arc(19.32,22.71) 19.32,22.71 19.32,22.71 arc(19.31,22.71) 19.31,22.71 18.8,22.61 arc(18.72,22.61) 18.63,22.62 18.47,22.68 arc(18.39,22.71) 18.32,22.76 18.06,23.03 arc(18.03,23.06) 17.99,23.08 17.9,23.11 arc(17.86,23.12) 17.81,23.13 17.77,23.13 arc(17.77,23.13) 17.76,23.13 arc(17.76,23.13) 17.76,23.13 arc(17.75,23.13) 17.75,23.12 17.39,23.12 arc(17.38,23.13) 17.38,23.13 arc(17.37,23.13) 17.36,23.13 17.33,23.13 arc(17.32,23.13) 17.31,23.13 arc(17.3,23.13) 17.29,23.13 17.23,23.14 arc(17.2,23.14) 17.18,23.15 17.13,23.17 arc(17.11,23.18) 17.09,23.2 16.93,23.34 arc(16.9,23.36) 16.88,23.37 16.82,23.4 arc(16.79,23.42) 16.76,23.43 16.72,23.44 arc(16.72,23.44) 16.72,23.44 arc(16.72,23.45) 16.72,23.45 16.71,23.45 arc(16.71,23.45) 16.71,23.45 16.71,23.45 arc(16.71,23.45) 16.71,23.45 arc(16.71,23.45) 16.71,23.46 16.56,23.66 ; 19.5,22.57 arc(19.56,22.56) 19.59,22.61 ; 6.23,6.04 6.23,5.97 arc(6.24,5.93) 6.24,5.89 6.26,5.82 arc(6.27,5.78) 6.28,5.74 6.31,5.67 7,4 ; 7,23 6.31,21.33 6.28,21.26 arc(6.27,21.23) 6.26,21.19 ; 20.27,9.99 20.02,9.77 arc(19.97,9.74) 19.92,9.71 19.8,9.67 arc(19.74,9.66) 19.68,9.66 19.63,9.66 arc(19.62,9.66) 19.62,9.66 arc(19.61,9.66) 19.6,9.66 19.58,9.66 arc(19.55,9.66) 19.51,9.66 19.45,9.66 arc(19.41,9.65) 19.38,9.65 19.01,9.57 arc(18.99,9.57) 18.98,9.56 18.94,9.56 arc(18.93,9.56) 18.91,9.56 18.9,9.55 arc(18.89,9.55) 18.89,9.55 ; 20.27,9.99 20.24,9.98 arc(20.21,9.97) 20.18,9.96 20.12,9.94 arc(20.09,9.94) 20.06,9.93 19.77,9.92 19.57,9.91 arc(19.48,9.93) 19.41,9.99 19.29,10.16 arc(19.26,10.24) 19.27,10.33 19.38,10.61 arc(19.39,10.62) 19.39,10.63 19.4,10.66 arc(19.4,10.68) 19.41,10.69 19.42,10.82 arc(19.42,10.82) 19.42,10.83 19.42,10.85 arc(19.42,10.86) 19.43,10.87 arc(19.42,10.88) 19.42,10.88 19.42,10.92 arc(19.42,10.93) 19.43,10.94 19.43,10.94 arc(19.43,10.95) 19.43,10.95 19.43,11.04 arc(19.42,11.12) 19.38,11.2 19.29,11.34 arc(19.23,11.4) 19.16,11.45 18.9,11.55 arc(18.9,11.55) 18.9,11.55 arc(18.9,11.55) 18.9,11.55 arc(18.9,11.55) 18.89,11.55 18.69,11.7 arc(18.59,11.74) 18.49,11.76 17.71,11.76 arc(17.61,11.78) 17.51,11.82 17.31,11.97 arc(17.3,11.97) 17.3,11.97 arc(17.3,11.97) 17.3,11.97 17.3,11.97 arc(17.3,11.97) 17.29,11.97 16.77,12.13 arc(16.66,12.14) 16.55,12.09 16.35,11.94 arc(16.28,11.85) 16.25,11.74 16.25,11.63 ; 20.27,9.99 arc(20.27,10) 20.28,10 ; 20.27,9.99 arc(20.27,10) 20.28,10 ; 16.25,11.6 16.25,11.63 ; 16.25,11.6 16.25,11.31 ; 16.25,11.6 16.25,11.31 ; 16.25,11.6 arc(16.25,11.62) 16.25,11.63 ; 16.25,11.63 arc(16.25,11.64) 16.25,11.66 16.39,14.17 arc(16.39,14.21) 16.39,14.26 arc(16.39,14.31) 16.39,14.35 16.39,15 arc(16.39,15.03) 16.39,15.05 16.4,15.1 arc(16.4,15.12) 16.41,15.15 16.41,15.16 arc(16.41,15.17) 16.42,15.18 arc(16.42,15.18) 16.42,15.19 16.42,15.21 arc(16.43,15.23) 16.43,15.25 16.44,15.29 arc(16.44,15.32) 16.44,15.34 16.44,15.38 16.45,16.37 arc(16.45,16.38) 16.45,16.39 arc(16.45,16.4) 16.45,16.41 16.44,17.08 arc(16.47,17.22) 16.56,17.34 16.8,17.54 arc(16.93,17.6) 17.08,17.61 17.54,17.51 arc(17.56,17.51) 17.57,17.5 17.6,17.5 arc(17.61,17.5) 17.62,17.5 18.89,17.5 arc(18.92,17.5) 18.94,17.49 19,17.48 arc(19.02,17.48) 19.05,17.47 19.07,17.46 arc(19.07,17.46) 19.08,17.45 19.1,17.44 arc(19.12,17.44) 19.13,17.43 19.17,17.42 arc(19.19,17.41) 19.21,17.41 19.27,17.4 arc(19.3,17.39) 19.34,17.37 19.52,17.28 arc(19.62,17.24) 19.73,17.23 20.51,17.23 arc(20.62,17.24) 20.72,17.28 ; 16.25,11.31 16.25,10.69 ; 16.25,11.31 16.25,10.69 ; 12.85,9.09 12.83,9.23 arc(12.81,9.26) 12.78,9.28 12.72,9.28 arc(12.72,9.28) 12.72,9.28 12.72,9.28 arc(12.72,9.28) 12.71,9.28 arc(12.71,9.28) 12.71,9.28 12.55,9.3 arc(12.48,9.31) 12.41,9.33 12.28,9.38 arc(12.21,9.41) 12.15,9.45 12.1,9.49 arc(12.1,9.49) 12.09,9.5 arc(12.09,9.5) 12.08,9.51 12.05,9.53 arc(12.01,9.56) 11.96,9.58 11.87,9.62 arc(11.83,9.64) 11.78,9.66 11.69,9.69 11.16,9.84 11.04,9.87 arc(10.98,9.89) 10.94,9.93 v1(10.87,9.9) 10.84,10.01 arc(10.8,10.05) 10.77,10.1 10.61,10.46 arc(10.61,10.46) 10.61,10.47 10.61,10.47 arc(10.61,10.47) 10.61,10.47 10.6,10.47 arc(10.6,10.47) 10.6,10.47 arc(10.6,10.47) 10.6,10.48 10.6,10.48 arc(10.6,10.48) 10.6,10.48 arc(10.6,10.48) 10.6,10.48 arc(10.6,10.48) 10.59,10.48 10.39,10.63 arc(10.29,10.67) 10.19,10.69 8.21,10.69 arc(8.11,10.67) 8.01,10.63 7.81,10.48 arc(7.8,10.48) 7.8,10.48 arc(7.8,10.48) 7.8,10.48 arc(7.8,10.48) 7.8,10.48 7.26,9.99 arc(7.26,9.99) 7.26,9.99 7.26,9.99 arc(7.26,9.99) 7.26,9.99 arc(7.25,9.99) 7.25,9.99 6.83,9.73 ; 49.33,4.38 46.69,4.38 arc(46.51,4.4) 46.33,4.46 46.03,4.61 arc(46.03,4.61) 46.03,4.61 arc(46.03,4.61) 46.03,4.61 arc(46.03,4.61) 46.03,4.62 46.02,4.62 arc(46.02,4.62) 46.02,4.62 arc(46.02,4.62) 46.02,4.62 46.02,4.62 arc(46.01,4.62) 46.01,4.62 46,4.63 arc(45.99,4.64) 45.98,4.64 45.96,4.66 arc(45.94,4.66) 45.93,4.67 arc(45.92,4.67) 45.91,4.68 45.49,4.87 arc(45.44,4.89) 45.38,4.91 45.26,4.94 arc(45.2,4.95) 45.14,4.95 44.44,4.95 arc(44.41,4.95) 44.39,4.95 44.33,4.94 arc(44.31,4.94) 44.28,4.93 44.23,4.92 43.09,4.7 arc(43.08,4.7) 43.08,4.7 arc(43.08,4.7) 43.08,4.7 43.07,4.7 arc(43.07,4.7) 43.07,4.7 43.01,4.7 arc(42.97,4.69) 42.92,4.68 42.14,4.32 arc(42.09,4.31) 42.04,4.3 41.99,4.3 arc(41.99,4.3) 41.98,4.3 41.98,4.3 arc(41.97,4.3) 41.97,4.3 41.84,4.26 arc(41.72,4.22) 41.6,4.16 41.5,4.11 arc(41.4,4.07) 41.29,4.06 40.51,4.06 arc(40.4,4.07) 40.3,4.11 40.09,4.22 arc(40.08,4.22) 40.08,4.22 arc(40.08,4.22) 40.08,4.22 arc(40.08,4.22) 40.08,4.22 39.65,4.25 arc(39.6,4.25) 39.55,4.25 arc(39.5,4.25) 39.45,4.26 39.2,4.33 arc(38.91,4.43) 38.63,4.57 38.25,4.81 arc(38.25,4.81) 38.24,4.81 arc(38.24,4.81) 38.24,4.81 arc(38.24,4.81) 38.24,4.82 38.24,4.82 arc(38.24,4.82) 38.24,4.82 arc(38.24,4.82) 38.23,4.82 37.99,5.11 arc(37.96,5.14) 37.93,5.17 37.86,5.21 arc(37.82,5.23) 37.78,5.25 37.73,5.26 arc(37.72,5.26) 37.71,5.27 37.6,5.3 arc(37.59,5.3) 37.59,5.31 37.58,5.31 arc(37.58,5.31) 37.58,5.31 arc(37.57,5.31) 37.57,5.31 37.56,5.31 arc(37.55,5.32) 37.55,5.32 37.46,5.34 arc(37.45,5.34) 37.44,5.34 arc(37.43,5.34) 37.42,5.35 36.68,5.49 36.64,5.5 arc(36.62,5.5) 36.6,5.5 36.56,5.5 arc(36.54,5.5) 36.52,5.5 36.39,5.49 arc(36.38,5.49) 36.37,5.49 36.36,5.49 arc(36.35,5.49) 36.34,5.48 arc(36.33,5.48) 36.32,5.48 36.23,5.46 arc(36.22,5.46) 36.22,5.46 35.92,5.39 arc(35.61,5.37) 35.32,5.44 34.73,5.68 arc(34.47,5.83) 34.26,6.05 33.9,6.57 J1.2 ; 49.33,4.38 arc(49.48,4.42) 49.59,4.53 arc(49.56,4.38) 49.63,4.26 ; 49.33,4.38 arc(49.49,4.34) 49.63,4.26 ; 66.95,21.15 SW8.3 ; 66.95,21.15 66.55,21.15 ; 66.95,21.15 arc(66.77,21.11) 66.62,21 arc(66.63,21.1) 66.55,21.15 ; 16.56,23.66 arc(16.52,23.67) 16.5,23.64 ; 23.02,21.3 arc(23.25,21.16) 23.5,21.03 ; 23.02,21.3 arc(23.12,21.14) 23.05,20.97 arc(23.26,21.07) 23.5,21.03 ; 20.28,10 20.46,10.04 arc(20.49,10.05) 20.51,10.06 20.55,10.08 arc(20.57,10.09) 20.59,10.1 20.6,10.12 arc(20.61,10.12) 20.61,10.12 arc(20.62,10.13) 20.62,10.13 20.64,10.14 arc(20.65,10.15) 20.67,10.17 20.71,10.19 arc(20.73,10.2) 20.75,10.21 20.78,10.22 arc(20.79,10.22) 20.79,10.22 20.8,10.23 arc(20.81,10.23) 20.83,10.24 20.85,10.25 arc(20.86,10.26) 20.88,10.26 21.01,10.35 arc(21.07,10.4) 21.12,10.47 21.21,10.62 arc(21.24,10.7) 21.25,10.79 ESD1.2 ; C35.2 19.59,22.61 ; 66.55,21.15 51.95,21.15 ; 23.5,21.03 23.74,20.91 arc(23.74,20.91) 23.74,20.91 arc(23.74,20.91) 23.75,20.91 arc(23.75,20.91) 23.75,20.91 26.64,20.11 27.01,20.01 arc(27.2,19.99) 27.39,20.01 27.76,20.13 arc(27.93,20.2) 28.07,20.33 28.33,20.62 28.67,21.01 arc(28.67,21.02) 28.68,21.02 arc(28.69,21.03) 28.7,21.04 28.72,21.05 arc(28.73,21.05) 28.74,21.05 28.8,21.05 arc(28.85,21.05) 28.9,21.06 29.06,21.1 arc(29.25,21.14) 29.45,21.15 51.55,21.15 ; 49.63,4.26 49.88,4.01 arc(49.88,4.01) 49.89,4.01 arc(49.89,4.01) 49.89,4.01 arc(49.89,4.01) 49.89,4.01 50.22,3.61 arc(50.25,3.58) 50.29,3.56 50.38,3.52 arc(50.42,3.5) 50.47,3.5 50.56,3.5 51.38,3.5 arc(51.39,3.5) 51.39,3.5 51.4,3.5 arc(51.4,3.5) 51.41,3.5 arc(51.41,3.5) 51.41,3.5 51.42,3.5 arc(51.42,3.5) 51.43,3.5 51.44,3.5 arc(51.45,3.5) 51.46,3.5 51.49,3.5 arc(51.51,3.5) 51.52,3.5 51.86,3.43 arc(51.86,3.43) 51.86,3.43 arc(51.86,3.43) 51.87,3.43 51.87,3.43 arc(51.87,3.43) 51.88,3.43 51.93,3.43 arc(51.98,3.42) 52.03,3.42 52.09,3.41 arc(52.2,3.38) 52.29,3.33 52.49,3.18 arc(52.5,3.18) 52.5,3.18 arc(52.5,3.18) 52.5,3.18 arc(52.5,3.18) 52.5,3.18 52.95,3 arc(52.95,3) 52.95,3 arc(52.95,3) 52.95,3 arc(52.95,3) 52.96,3 R8.1 ; 12.04,22.79 12.16,22.56 arc(12.16,22.55) 12.16,22.55 arc(12.16,22.55) 12.16,22.55 12.16,22.55 arc(12.16,22.55) 12.16,22.55 12.17,22.18 arc(12.17,22.18) 12.17,22.18 12.17,22.18 arc(12.17,22.18) 12.17,22.18 arc(12.17,22.18) 12.17,22.17 12.06,21.96 arc(12.02,21.86) 12.01,21.75 12.01,20.96 arc(12,20.85) 11.96,20.75 11.92,20.67 arc(11.86,20.53) 11.81,20.39 11.76,20.23 arc(11.76,20.22) 11.76,20.2 11.75,20.17 arc(11.75,20.15) 11.75,20.13 U1.47 ; 12.04,22.79 arc(12.01,22.87) 11.99,22.96 ; 51.55,21.15 51.95,21.15 ; 51.55,21.15 arc(51.63,21.1) 51.62,21 arc(51.77,21.11) 51.95,21.15 ; 18.88,9.55 18.58,9.29 arc(18.58,9.29) 18.57,9.29 18.55,9.28 arc(18.54,9.28) 18.53,9.28 18.48,9.28 arc(18.44,9.26) 18.42,9.23 18.33,8.58 arc(18.33,8.53) 18.32,8.48 18.32,8.41 arc(18.32,8.4) 18.32,8.39 18.32,8.37 arc(18.32,8.35) 18.31,8.34 18.25,8.16 arc(18.25,8.14) 18.24,8.12 18.22,8.09 arc(18.21,8.07) 18.2,8.05 18.19,8.04 arc(18.19,8.03) 18.19,8.03 arc(18.19,8.03) 18.19,8.02 18.19,8.02 arc(18.18,8.02) 18.18,8.01 18.18,8 arc(18.18,7.99) 18.18,7.98 arc(18.18,7.98) 18.18,7.97 18.18,7.93 arc(18.17,7.88) 18.17,7.83 18.15,7.69 arc(18.14,7.5) 18.15,7.31 18.17,7.18 arc(18.17,7.13) 18.18,7.08 18.18,7.02 arc(18.18,7.02) 18.18,7.02 18.18,7.01 arc(18.18,7) 18.18,7 18.27,6.68 arc(18.28,6.68) 18.28,6.67 arc(18.28,6.67) 18.28,6.66 18.29,6.65 arc(18.29,6.64) 18.3,6.64 arc(18.3,6.64) 18.3,6.63 18.32,6.62 18.61,6.32 arc(18.62,6.32) 18.62,6.31 18.63,6.31 arc(18.63,6.31) 18.64,6.3 arc(18.64,6.3) 18.65,6.3 20.2,5.69 20.44,5.59 arc(20.56,5.53) 20.66,5.45 20.86,5.27 arc(20.94,5.17) 21.01,5.05 21.1,4.86 arc(21.11,4.83) 21.12,4.79 arc(21.13,4.76) 21.15,4.73 21.33,4.27 arc(21.34,4.23) 21.35,4.19 21.38,4.1 arc(21.39,4.06) 21.39,4.02 21.41,3.93 21.58,2.78 arc(21.58,2.78) 21.58,2.78 arc(21.59,2.78) 21.59,2.77 21.59,2.77 arc(21.59,2.77) 21.59,2.77 21.59,2.77 arc(21.59,2.77) 21.59,2.76 arc(21.59,2.76) 21.59,2.76 21.85,2.54 arc(22.01,2.45) 22.2,2.45 22.35,2.49 arc(22.4,2.5) 22.45,2.5 22.5,2.5 arc(22.51,2.5) 22.51,2.5 22.51,2.5 arc(22.52,2.5) 22.52,2.5 arc(22.52,2.5) 22.53,2.5 23.7,2.77 arc(23.75,2.78) 23.8,2.78 23.9,2.8 arc(23.95,2.8) 24,2.8 25.49,2.8 arc(25.49,2.8) 25.5,2.8 26.87,2.8 arc(26.96,2.79) 27.05,2.78 27.23,2.74 arc(27.31,2.72) 27.4,2.68 27.5,2.64 arc(27.5,2.64) 27.5,2.64 27.5,2.64 arc(27.5,2.64) 27.51,2.64 arc(27.51,2.64) 27.51,2.64 SW1.4 ; 18.88,9.55 arc(18.89,9.55) 18.89,9.55 ; 18.88,9.55 arc(18.89,9.55) 18.89,9.55 ; R13.2 25.39,7.49 arc(25.49,7.51) 25.59,7.55 25.79,7.7 arc(25.8,7.7) 25.8,7.7 arc(25.8,7.7) 25.8,7.7 25.8,7.7 arc(25.8,7.71) 25.8,7.71 26.06,8.09 26.16,8.23 arc(26.21,8.29) 26.28,8.34 26.42,8.43 arc(26.5,8.46) 26.58,8.48 26.7,8.49 arc(26.74,8.5) 26.77,8.52 26.87,8.63 arc(26.92,8.74) 26.86,8.86 26.72,8.96 arc(26.72,8.96) 26.72,8.96 26.72,8.96 arc(26.72,8.96) 26.71,8.97 26.41,9.14 26.35,9.18 arc(26.31,9.2) 26.28,9.22 26.23,9.28 arc(26.2,9.3) 26.18,9.33 25.85,9.8 arc(25.76,9.9) 25.65,9.96 25.4,10.06 arc(25.27,10.09) 25.14,10.09 25.01,10.06 24.99,10.06 arc(24.98,10.05) 24.97,10.05 24.45,9.96 arc(24.44,9.95) 24.43,9.95 24.4,9.95 arc(24.39,9.95) 24.38,9.95 24.37,9.95 arc(24.37,9.95) 24.36,9.95 arc(24.36,9.95) 24.36,9.95 24.32,9.94 arc(24.28,9.94) 24.24,9.95 24.15,9.96 arc(24.11,9.97) 24.07,9.99 23.96,10.05 arc(23.9,10.07) 23.84,10.09 23.7,10.12 arc(23.64,10.13) 23.57,10.13 23.44,10.13 22.68,10.1 arc(22.57,10.08) 22.48,10.03 22.31,9.89 arc(22.23,9.81) 22.19,9.71 22.13,9.5 21.98,8.92 arc(21.98,8.9) 21.97,8.88 21.97,8.84 arc(21.96,8.82) 21.96,8.8 21.96,8.78 arc(21.96,8.78) 21.96,8.78 21.96,8.78 arc(21.96,8.78) 21.96,8.77 21.86,8.64 arc(21.74,8.57) 21.6,8.59 21.44,8.67 arc(21.43,8.67) 21.43,8.67 21.43,8.67 arc(21.43,8.67) 21.43,8.67 19.9,9.33 19.83,9.35 arc(19.8,9.36) 19.77,9.37 19.71,9.39 arc(19.67,9.39) 19.64,9.4 19.58,9.4 arc(19.56,9.4) 19.54,9.41 19.5,9.41 arc(19.49,9.41) 19.47,9.42 18.89,9.55 ; v2(69.75,2.16) 69.75,2.57 69.75,2.7 arc(69.73,2.77) 69.66,2.79 C38.2 ; 16.5,23.64 16.5,23.58 arc(16.5,23.53) 16.49,23.48 16.49,22.77 arc(16.49,22.72) 16.49,22.67 C31.2 ; 81.92,21.26 82.21,21.46 arc(82.21,21.46) 82.22,21.46 82.22,21.46 arc(82.22,21.46) 82.22,21.46 84.28,22.29 arc(84.28,22.29) 84.29,22.29 arc(84.29,22.29) 84.3,22.29 86,23 ; 81.92,21.26 arc(81.84,21.14) 81.88,21 ; 81.92,21.26 arc(81.74,21.18) 81.55,21.15 74.6,21.15 v1(74.18,21.07) SW8.4 ; 11.99,22.96 11.97,23.04 arc(11.97,23.09) 11.97,23.14 11.97,23.17 arc(11.97,23.19) 11.96,23.21 11.96,23.27 arc(11.95,23.32) 11.94,23.36 11.91,23.44 arc(11.89,23.48) 11.87,23.52 11.57,23.99 arc(11.49,24.07) 11.37,24.11 11.11,24.14 arc(10.99,24.13) 10.89,24.06 10.7,23.88 10.36,23.53 arc(10.32,23.49) 10.29,23.44 10.25,23.33 arc(10.24,23.27) 10.23,23.22 10.24,23.01 arc(10.24,22.88) 10.23,22.76 10.2,22.51 arc(10.19,22.39) 10.16,22.26 10.07,21.93 arc(10.06,21.91) 10.06,21.88 10.05,21.83 arc(10.05,21.81) 10.05,21.78 10.05,21.6 arc(10.05,21.57) 10.05,21.54 10.05,21.49 arc(10.05,21.47) 10.05,21.44 9.97,20.73 9.96,20.62 arc(9.96,20.56) 9.96,20.5 9.99,20.38 arc(10,20.33) 10.02,20.27 10.08,20.17 10.86,18.7 10.88,18.67 arc(10.88,18.66) 10.89,18.65 10.91,18.62 arc(10.92,18.61) 10.93,18.6 10.99,18.53 arc(11.02,18.5) 11.04,18.47 11.08,18.41 arc(11.1,18.37) 11.11,18.34 11.14,18.27 11.32,17.83 arc(11.33,17.8) 11.34,17.76 11.36,17.68 arc(11.36,17.64) 11.37,17.6 11.37,17.51 11.47,15.83 11.47,15.74 arc(11.47,15.69) 11.46,15.64 11.44,15.55 arc(11.42,15.51) 11.4,15.47 11.12,15.05 11.07,14.98 arc(11.04,14.94) 11.01,14.91 10.95,14.84 arc(10.92,14.82) 10.88,14.79 10.61,14.61 arc(10.6,14.61) 10.59,14.6 10.57,14.59 arc(10.57,14.59) 10.56,14.59 10.46,14.54 arc(10.36,14.51) 10.26,14.5 U1.8 ; 6.83,9.73 arc(6.61,9.57) 6.42,9.38 arc(6.47,9.56) 6.35,9.7 arc(6.6,9.65) 6.83,9.73
  Bottom w0.2: 86.92,4 88,4 ; 86.92,4 arc(86.27,3.73) 86,3.08 ; 86.92,4 arc(86.54,4.21) 86.57,4.57 ; 83.81,4.74 83.92,4.76 arc(83.97,4.77) 84.03,4.77 84.14,4.76 arc(84.19,4.75) 84.24,4.73 84.34,4.69 85.15,4.35 ; 85.15,4.35 arc(85.92,4.25) 86.57,4.57 ; 85.15,4.35 arc(85.77,3.84) 86,3.08 ; 86,3.08 86,2 ; 87.41,5.41 86.57,4.57
  vias: v1(4.99,19.28) v1(5.12,12.22) v1(7.5,19.17) v1(9.46,18.64) v1(9.8,20.44) v1(11.35,16.86) v1(13.01,20.86) v1(15.23,24.05) v1(15.78,5.54) v1(16.32,12.28) v1(16.6,14.44) v1(21.77,9.43) v1(22.62,18.41) v1(23.1,19.57) v1(24.15,23.74) v1(25.15,2.78) v1(26.44,12.13) v1(41.35,24.16) v1(41.65,12.56) v1(42.52,3.56) v1(48.7,23.83) v1(48.76,3.56) v1(66.51,4.67) v1(66.6,2) v1(69.53,23.04) v1(71.03,24.55) v1(72.15,2.17) v2(64.75,2.16)
